# Altium PCB PCB1_4.PcbDoc (part 2 of 2)
Units mil, origin at the board's own origin, x right, y up, seen from the top; angles counter-clockwise.
Board outline 2860 x 3413.11 mil, 4 copper layers (Top Layer, POWER_VCC, POWER_GND, Bottom Layer), stack 30.634 mil thick; 135 components, 182 nets, 698 pads, 287 vias.
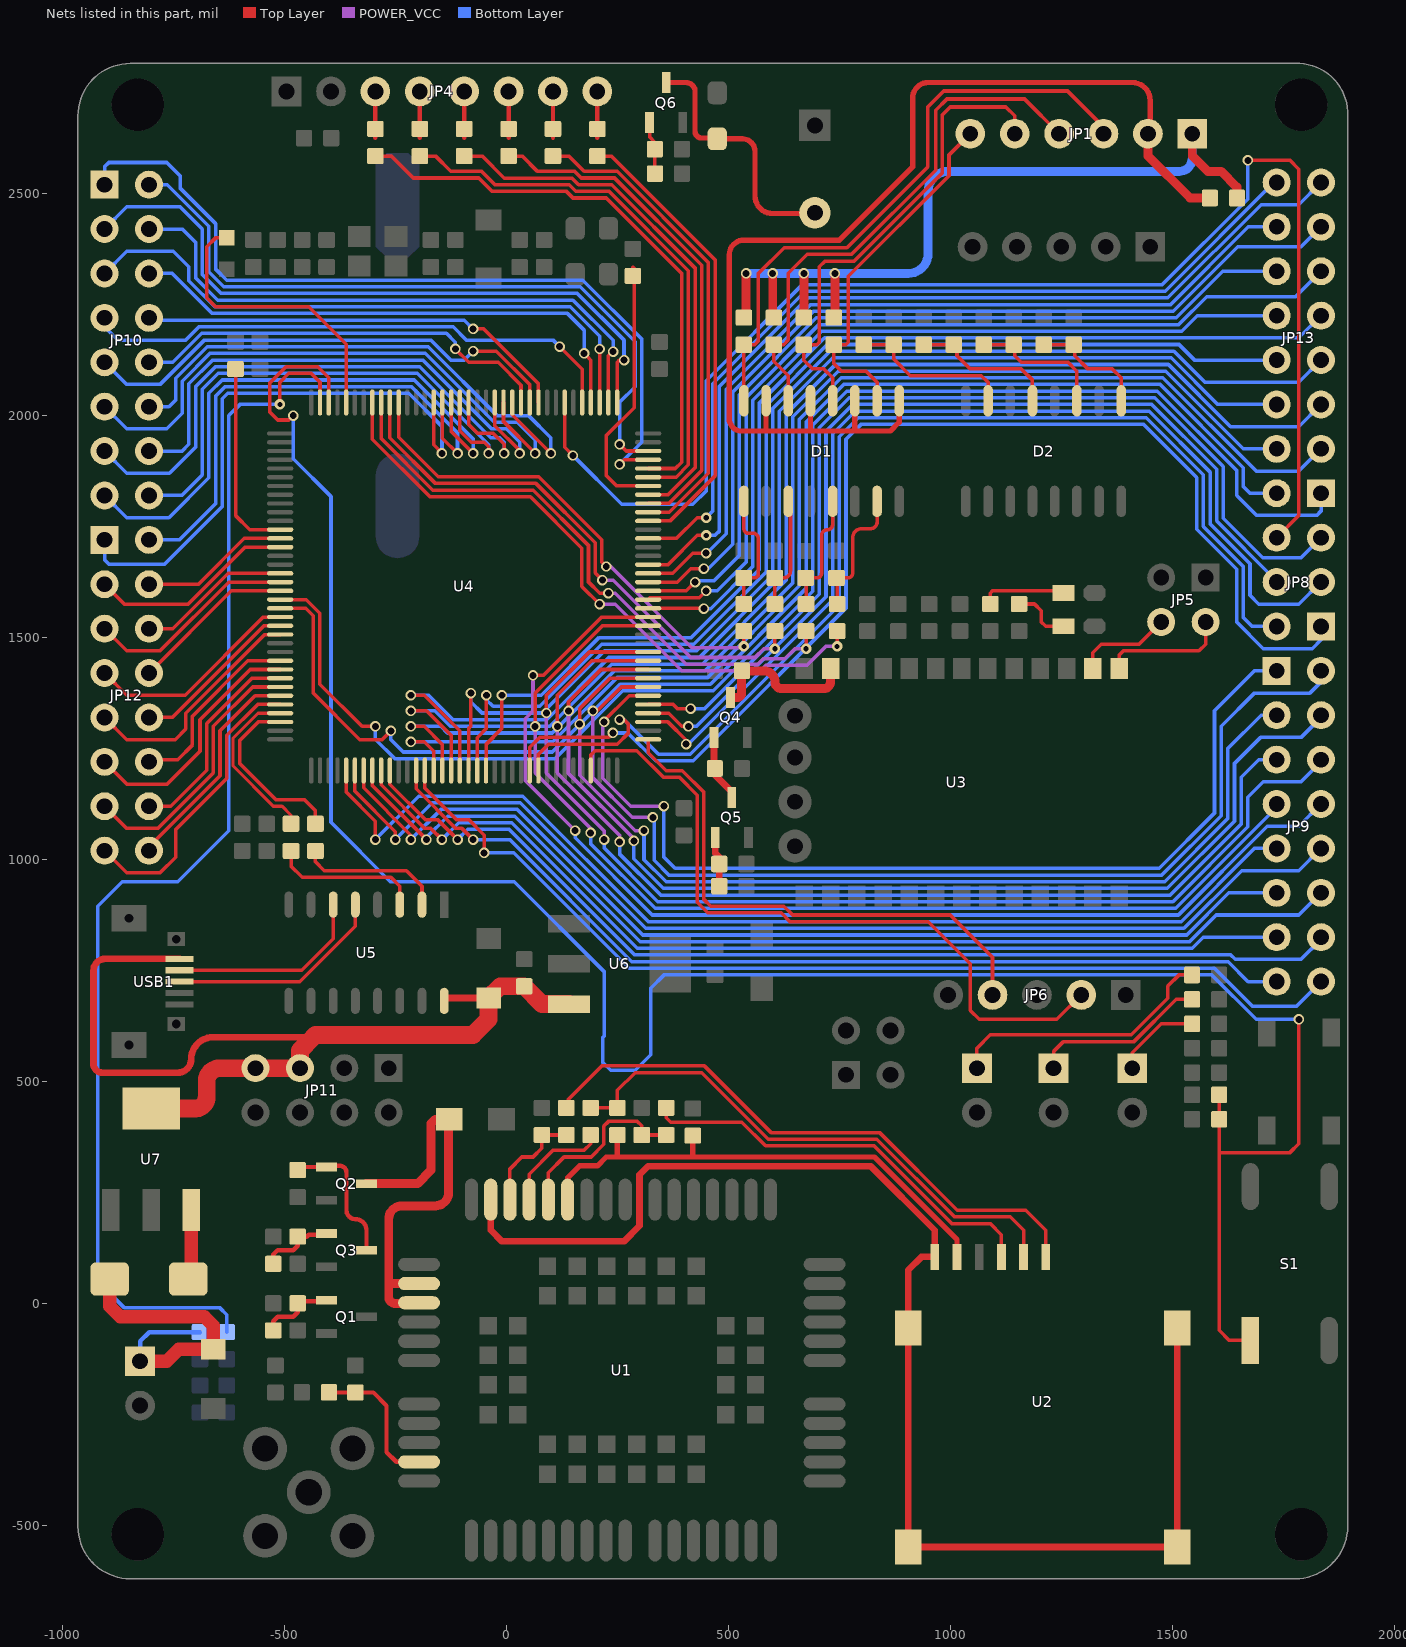
[diagram p4: the nets of this part, all layers, seen from the top]

## Via types
v1: diameter 23.62, hole 15.75, Top Layer to POWER_GND, tented top, 125 vias
v2: diameter 23.62, hole 15.75, Top Layer to Bottom Layer, tented both sides, 99 vias
v3: diameter 23.62, hole 15.75, Top Layer to POWER_VCC, tented top, 44 vias
v4: diameter 23.62, hole 15.75, POWER_VCC to Bottom Layer, tented bottom, 8 vias
v5: diameter 23.62, hole 11.81, Top Layer to Bottom Layer, tented both sides, 5 vias
v6: diameter 23.62, hole 11.81, Top Layer to POWER_VCC, tented top, 5 vias
v7: diameter 15.75, hole 15.75, Top Layer to POWER_GND, tented top, 1 vias

## Nets (pads, with @x,y where several pads share a name; then routed paths per layer and width w, separated by ;. In a path a pad name is that pad's centre, name@x,y a point inside that pad or via, vN(x,y) a via of type N, cw(c..) or ccw(c..) an arc to the next point about the centre after c; other vN are vias at no path point) (continued)
NetD1_1: D1.1 R5.2 R7.2 | length 283.4
  Top Layer w8: R5.2@535,1575.51 R7.2@535,1634.49 559.49,1634.49 ccw(c559.49,1642.7) 567.7,1642.7 567.7,1722.3 ccw(c555,1722.3) 555,1735 545,1735 cw(c545,1745) 535,1745 D1.1@535,1806.73
NetD1_3: D1.3 R8.2 R10.2 | length 256.3
  Top Layer w8: R8.2@605,1575.51 605,1634.04 R10.2@604.56,1634.49 624.49,1634.49 ccw(c624.49,1650) 640,1650 640,1795 ccw(c635,1795) D1.3@635,1800
NetD1_5: D1.5 R11.2 R13.2 | length 277.2
  Top Layer w8: R11.2@675,1575.51 675,1633.44 R13.2@674.11,1634.33 699.33,1634.33 ccw(c699.33,1645) 710,1645 710,1730 cw(c722.5,1730) 722.5,1742.5 ccw(c722.5,1755) 735,1755 D1.5@735,1806.73
NetD1_7: D1.7 R15.2 R19.2 | length 303.5
  Top Layer w8: R15.2@745,1575.51 745,1633.08 R19.2@743.67,1634.41 769.41,1634.41 ccw(c769.41,1645) 780,1645 780,1725 cw(c800,1725) 800,1745 820,1745 ccw(c820,1760) 835,1760 D1.7@835,1806.73
NetD2_1: D2.1 R22.2 R24.2 | length 270.3
  Top Layer w8: R24.2@1210.55,2159.49 R22.2@1278.11,2159.49 1280,2157.6 1280,2135 1310,2105 1365,2105 1385,2085 D2.1@1385,2033.27
NetD2_3: D2.3 R25.2 R27.2 | length 314.1
  Top Layer w8: R27.2@1075.44,2159.49 R25.2@1143,2159.49 1145,2157.49 1145,2135 1160,2120 1265,2120 1285,2100 D2.3@1285,2033.27
NetD2_5: D2.5 R28.2 R30.2 | length 334.5
  Top Layer w8: R30.2@940.33,2159.49 R28.2@1007.89,2159.49 1015,2152.38 1015,2135 1045,2105 1160,2105 1185,2080 D2.5@1185,2033.27
NetD2_7: D2.7 R32.2 R34.2 | length 375.4
  Top Layer w8: R34.2@805.22,2159.49 R32.2@872.78,2159.49 872.78,2127.22 910,2090 1070,2090 1085,2075 D2.7@1085,2033.27
NetD3_1: D3.1 R43.2 | length 135.5
  Top Layer w8: R43.2@1155,1575.51 1189.49,1575.51 1205,1560 1205,1535 1214.74,1525.26 D3.1@1255,1525.26
NetD4_1: D4.1 R44.2 | length 193.5
  Top Layer w8: R44.2@1090,1575.51 1090,1600 1095,1605 1250.26,1605 D4.1@1255,1600.26
NetD5_1: D5.1 R51.2 | length 196.4
  Top Layer w8: D5.1@1410,530 1410,565 1475,630 R51.2@1544.49,630
NetD6_1: D6.1 R52.2 | length 398.2
  Top Layer w8: D6.1@1232.5,530 1232.5,567.5 1255,590 1413.79,590 1508.79,685 R52.2@1544.49,685
NetD7_1: D7.1 R55.2 | length 614
  Top Layer w8: D7.1@1060,530 1060,575 1090,605 1407.57,605 1490,687.43 1490,715 1515,740 R55.2@1544.49,740
NetD10_1: D10.1 LS1.2 Q6.3 | length 585.8
  Top Layer w12: Q6.3@360,2750 405,2750 cw(c405,2730) 425,2730 425,2640 ccw(c440,2640) 440,2625 473.33,2625 cw(c473.33,2623.33) D10.1@475,2623.33 531.67,2623.33 cw(c531.67,2595) 560,2595 560,2495 ccw(c600,2495) 600,2455 693.43,2455 ccw(c693.43,2456.57) LS1.2@695,2456.57
NetD11_2: D11.2 U7.3 | length 158.7
  Top Layer w30: D11.2@-716.5,55 -709.45,62.05 U7.3@-709.45,210.83
NetJP4_3: JP4.3 R35.2 | length 104.5
  Top Layer w10: -295,2625.51 JP4.3@-295,2730
NetJP4_4: JP4.4 R37.2 | length 104.5
  Top Layer w10: -195,2625.51 JP4.4@-195,2730
NetJP4_5: JP4.5 R38.2 | length 104.5
  Top Layer w10: -95,2625.51 JP4.5@-95,2730
NetJP4_6: JP4.6 R40.2 | length 104.5
  Top Layer w10: 5,2625.51 JP4.6@5,2730
NetJP4_7: JP4.7 R41.2 | length 104.5
  Top Layer w10: 105,2625.51 JP4.7@105,2730
NetJP4_8: JP4.8 R42.2 | length 104.5
  Top Layer w10: 205,2625.51 JP4.8@205,2730
NetJP5_2: JP5.2 U3.1 | length 285.4
  Top Layer w8: U3.1@1380,1430 1380,1460 1390,1470 1560,1470 1575,1485 JP5.2@1575,1535
NetJP5_4: JP5.4 U3.2 | length 218.6
  Top Layer w8: U3.2@1320.94,1430 1320.94,1465.94 1340,1485 1425,1485 JP5.4@1475,1535
NetL1_1: L1.1 U4.32 | length 657.1
  Top Layer w8: L1.1@-630,2400 -655,2400 -675,2380 -675,2265 -655,2245 -445,2245 -360.75,2160.75 U4.32@-360.75,2029.39
NetQ1_1: Q1.1 R1.2 R3.1 | length 172.2
  Top Layer w10: R1.2@-525,-60.51 -525,-40 -515,-30 -480,-30 -470,-20 R3.1@-470,0.51 -465.51,5 -407.4,5 Q1.1@-405,7.4
NetQ2_1: Q2.1 Q3.3 R31.1 | length 324.7
  Top Layer w10: R31.1@-470,300.51 cw(c-463.11,300.51) -463.11,307.4 Q2.1@-405,307.4 cw(c-402.4,307.4) -402.4,310 -375,310 cw(c-375,295) -360,295 -360,210 ccw(c-340,210) -340,190 cw(c-340,165) -315,165 Q3.3@-315,120
NetQ3_1: Q3.1 R36.2 R39.1 | length 172.4
  Top Layer w10: R36.2@-525,89.49 -525,110.4 -515.4,120 -480,120 -470,130 R39.1@-470,150.51 -449.49,150.51 -445,155 -407.4,155 Q3.1@-405,157.4
NetQ4_1: Q4.1 Q5.3 R45.1 | length 151.7
  Top Layer w15: Q4.1@467.6,1275 467.6,1192.4 507.87,1152.13 Q5.3@507.87,1140
NetQ5_1: Q5.1 R48.2 R50.1 | length 113.7
  Top Layer w15: Q5.1@470.47,1050 470.47,1014.53 479.49,1005.51 R50.1@479.49,990 R48.2@479.49,940
NetQ6_1: Q6.1 R57.2 R58.1 | length 119.9
  Top Layer w8: Q6.1@322.6,2660 322.6,2627.4 334.49,2615.51 R58.1@334.49,2600 R57.2@334.49,2545
NetR14_2: R14.2 U2.3 | length 1338.8
  Top Layer w8: R14.2@140,440.51 140,460 215,535 446.21,535 596.21,385 840.46,385 1015.46,210 1170,210 1215,165 U2.3@1215,105
NetR17_2: R17.2 U2.2 | length 936.1
  Top Layer w8: R17.2@360,440.51 360,418.6 370,408.6 530.19,408.6 583.79,355 828.03,355 1003.03,180 1090,180 1115,155 U2.2@1115,105
NetR18_2: R18.2 R21.2 U2.6 | length 1233.1
  Top Layer w8: R18.2@195,440.51 R21.2@250,440.51 250,480 290,520 440,520 590,370 834.25,370 1009.25,195 1135,195 1165,165 U2.6@1165,105
NetR46_2: R46.2 U5.2 | length 328.9
  Top Layer w8: R46.2@-430,1019.49 -430,995 -410,975 -225,975 -190,940 U5.2@-190,898.35
NetR47_2: R47.2 U5.3 | length 339.8
  Top Layer w8: R47.2@-485,1019.49 -485,985 -460,960 -260,960 -240,940 U5.3@-240,898.35
NetR49_2: R49.2 U4.48 | length 443.4
  Top Layer w8: R49.2@-610,2104.49 -610,1775 -577.95,1742.95 U4.48@-509.39,1742.95
NetR60_2: R60.2 U4.138 | length 600.8
  Top Layer w8: 285,2334.49 287.81,2331.68 287.81,2017.81 225,1955 225,1865 248.62,1841.38 U4.138@319.39,1841.38
OLED_CLK: R35.1 U4.140 | length 1306.1
  Top Layer w8: R35.1@-295,2584.49 -259.49,2584.49 -210,2535 -62.09,2535 -31.83,2504.74 135.4,2504.74 150.15,2490 225,2490 395,2320 395,1895 380.75,1880.75 U4.140@319.39,1880.75
OLED_CS1: R40.1 U4.136 | length 1150.5
  Top Layer w8: R40.1@5,2584.49 35.51,2584.49 70.26,2549.74 154.04,2549.74 168.79,2535 243.64,2535 440,2338.64 440,1876.36 365.65,1802.01 U4.136@319.39,1802.01
OLED_CS2: R42.1 U4.134 | length 1041.4
  Top Layer w8: R42.1@205,2584.49 236.58,2584.49 470,2351.07 470,1863.93 368.7,1762.64 U4.134@319.39,1762.64
OLED_DC: R38.1 U4.137 | length 1205.1
  Top Layer w8: R38.1@-95,2584.49 -54.49,2584.49 -4.74,2534.74 147.83,2534.74 162.57,2520 237.43,2520 425,2332.43 425,1882.57 364.12,1821.69 U4.137@319.39,1821.69
OLED_FSO: R41.1 U4.135 | length 1096
  Top Layer w8: R41.1@105,2584.49 140.51,2584.49 175,2550 249.85,2550 455,2344.85 455,1870.15 367.18,1782.32 U4.135@319.39,1782.32
OLED_MOSI: R37.1 U4.139 | length 1251.5
  Top Layer w8: R37.1@-195,2584.49 -159.49,2584.49 -125,2550 -55.88,2550 -25.62,2519.74 141.62,2519.74 156.36,2505 231.21,2505 410,2326.21 410,1888.79 382.28,1861.06 U4.139@319.39,1861.06
OUT_1: D1.16 JP1.3 R6.2 | length 1389.7
  Top Layer w8: D1.16@535,2033.27 R6.2@535,2159.49 559.34,2159.49 567.7,2167.85 567.7,2319.96 625.74,2378 767.09,2378 949,2559.91 949,2694.91 985.09,2731 1264,2731 1345,2650 JP1.3@1345,2635
OUT_2: D1.14 JP1.4 R9.2 | length 1210.6
  Top Layer w8: D1.14@635,2033.27 635,2090 602.56,2122.44 R9.2@602.56,2159.49 624.49,2159.49 635.26,2170.26 635.26,2320.26 678,2363 777.54,2363 967,2552.46 967,2687.46 992.54,2713 1167,2713 JP1.4@1245,2635
OUT_3: D1.12 JP1.5 R12.2 | length 1088.9
  Top Layer w8: D1.12@735,2033.27 735,2085 715,2105 690,2105 670.11,2124.89 R12.2@670.11,2159.49 699.49,2159.49 704.97,2164.97 704.97,2334.97 718,2348 783.76,2348 982,2546.24 982,2677 1000,2695 1125,2695 1145,2675 JP1.5@1145,2635
OUT_4: D1.10 JP1.6 R16.2 | length 817.3
  Top Layer w8: D1.10@835,2033.27 835,2075 810,2100 755,2100 737.67,2117.33 R16.2@737.67,2159.49 764.49,2159.49 770.37,2165.37 770.37,2313.4 997,2540.03 997,2587 JP1.6@1045,2635
OUT_COM+: C4.2 JP1.1 R6.1 R9.1 R12.1 R16.1 | length 1880
  Top Layer w20: R6.1@535,2220.51 540,2225.51 v2(540,2320) ; v2(600,2320) 600,2233.07 605,2228.07 600,2223.07 R9.1@602.56,2220.51 ; v2(670,2320) 670,2220.62 R12.1@670.11,2220.51 ; R16.1@737.67,2220.51 736.33,2221.84 740,2225.51 v2(740,2320) ; JP1.1@1545,2635 1545,2585 1580,2550 1610,2550 1645.51,2514.49 C4.2@1645.51,2490
  Bottom Layer w20: v2(540,2320) v2(600,2320) v2(670,2320) v2(740,2320) 905,2320 ccw(c905,2365) 950,2365 950,2505 cw(c995,2505) 995,2550 1515,2550 ccw(c1515,2580) 1545,2580 JP1.1@1545,2635
OUT_COM-: C4.1 D1.9 D1.11 D1.13 D1.15 JP1.2 | length 2574.7
  Top Layer w12: D1.15@585,2033.27 585,1965 ; D1.13@685,2033.27 685,1970 cw(c680,1970) 680,1965 ; D1.11@785,2033.27 785,1970 cw(c780,1970) 780,1965 ; D1.9@885,2033.27 885,1985 865,1965 780,1965 ; JP1.2@1445,2635 ccw(c1445,2640) 1450,2640 1450,2710 ccw(c1410,2710) 1410,2750 950,2750 ccw(c950,2715) 915,2715 915,2560 750,2395 535,2395 ccw(c535,2362) 502,2362 502,1993 ccw(c530,1993) 530,1965 585,1965 ; 585,1965 680,1965 ; 680,1965 780,1965
  Top Layer w20: JP1.2@1445,2635 1445,2585 1540,2490 C4.1@1584.49,2490
OUT_CON_1_PC0: R5.1 U4.26 | length 1117
  Top Layer w8: U4.26@-242.64,2029.39 -242.64,1951.28 -153.37,1862.01 72.84,1862.01 215,1719.85 215,1670 v2(225,1660) ; v6(535,1480) R5.1@535,1514.49
  POWER_VCC w8: v2(225,1660) 235,1660 417.81,1477.19 532.19,1477.19 v6(535,1480)
OUT_CON_2_PC1: R8.1 U4.27 | length 1239.6
  Top Layer w8: U4.27@-262.32,2029.39 -262.32,1949.75 -159.58,1847.01 66.63,1847.01 200,1713.64 200,1645.45 v2(216.07,1629.38) ; v6(605,1475) R8.1@605,1514.49
  POWER_VCC w8: v2(216.07,1629.38) 240.62,1629.38 415,1455 560,1455 580,1475 v6(605,1475)
OUT_CON_3_PC2: R11.1 U4.28 | length 1351
  Top Layer w8: U4.28@-282.01,2029.39 -282.01,1948.22 -165.79,1832.01 60.42,1832.01 185,1707.43 185,1625 210,1600 v2(230,1600) ; v6(675,1475) R11.1@675,1514.49
  POWER_VCC w8: v2(230,1600) 245,1600 405,1440 566.21,1440 578.4,1452.19 627.19,1452.19 650,1475 v6(675,1475)
OUT_CON_4_PC3: R15.1 U4.29 | length 1453.3
  Top Layer w8: U4.29@-301.69,2029.39 -301.69,1946.69 -172.01,1817.01 54.21,1817.01 170,1701.21 170,1615 v2(210,1575) ; v6(745,1480) R15.1@745,1514.49
  POWER_VCC w8: v2(210,1575) 245,1575 395,1425 572.43,1425 584.62,1437.19 677.19,1437.19 720,1480 v6(745,1480)
PC8: JP8.1 U4.98 | length 2795.5
  Top Layer w8: U4.98@52.64,1200.61 52.64,1252.64 75,1275 230,1275 v2(240,1285)
  Bottom Layer w8: v2(240,1285) 273.79,1285 336.6,1222.19 420.66,1222.19 765,1566.53 765,1946.36 798.64,1980 1435.29,1980 1555,1860.29 1555,1743.93 1645,1653.93 1645,1535 1705,1475 1815,1475 1835,1495 JP8.1@1835,1525
PC9: JP8.2 U4.99 | length 2682.2
  Top Layer w8: U4.99@72.32,1200.61 72.32,1237.32 95,1260 250,1260 275,1285 275,1305 265,1315 v2(255,1315)
  Bottom Layer w8: v2(255,1315) 265,1315 342.81,1237.19 414.45,1237.19 750,1572.74 750,1952.57 792.43,1995 1441.51,1995 1570,1866.51 1570,1750.15 1660,1660.15 1660,1545 1680,1525 JP8.2@1735,1525
PC10: JP8.3 U4.111 | length 2381.6
  Top Layer w8: U4.111@319.39,1309.88 363.9,1309.88 405,1268.79 v2(405,1260)
  Bottom Layer w8: v2(405,1260) 409.56,1260 735,1585.44 735,1958.79 786.21,2010 1447.72,2010 1585,1872.72 1585,1756.36 1675,1666.36 1675,1595 1695,1575 1785,1575 JP8.3@1835,1625
PC11: JP8.4 U4.112 | length 2194.6
  Top Layer w8: U4.112@319.39,1329.57 365.43,1329.57 395,1300 v2(410,1300)
  Bottom Layer w8: v2(410,1300) 428.35,1300 720,1591.65 720,1965 780,2025 1453.93,2025 1600,1878.93 1600,1762.57 1728.79,1633.79 1735,1640 JP8.4@1735,1625
PC12: JP8.5 U4.113 | length 2264.7
  Top Layer w8: U4.113@319.39,1349.25 375.75,1349.25 385,1340 v2(415,1340)
  Bottom Layer w8: v2(415,1340) 447.13,1340 705,1597.87 705,1972.43 772.57,2040 1460.15,2040 1615,1885.15 1615,1768.79 1703.79,1680 1790,1680 JP8.5@1835,1725
PC13: JP8.6 U4.7 | length 3184.3
  Top Layer w8: U4.7@131.38,2029.39 131.38,1928.62 v2(150,1910) ; v2(1670,2575) 1765,2575 1785,2555 1785,1775 JP8.6@1735,1725
  Bottom Layer w8: v2(150,1910) 260,1800 420,1800 450,1830 450,2078.05 666.95,2295 1477.57,2295 1670,2487.43 v2(1670,2575)
PD0: JP9.1 U4.114 | length 2241.9
  Top Layer w8: v3(220,1310) 220,1312.26 276.68,1368.94 U4.114@319.39,1368.94
  POWER_VCC w8: v3(220,1310) 217.19,1307.19 217.19,1182.81 280,1120 v4(355,1120)
  Bottom Layer w8: v4(355,1120) 355,1005 380,980 1470.29,980 1595,1104.71 1595,1335 1685,1425 JP9.1@1735,1425
PD1: JP9.2 U4.115 | length 2406.7
  Top Layer w8: v3(195,1335) 205,1335 258.62,1388.62 U4.115@319.39,1388.62
  POWER_VCC w8: v3(195,1335) 195,1183.79 283.79,1095 v4(330,1095)
  Bottom Layer w8: v4(330,1095) 332.81,1092.19 332.81,998.26 366.07,965 1476.51,965 1610,1098.49 1610,1300 1685,1375 1810,1375 1835,1400 JP9.2@1835,1425
PD2: JP9.3 U4.116 | length 2288
  Top Layer w8: v3(165,1305) 165,1340 233.31,1408.31 U4.116@319.39,1408.31
  POWER_VCC w8: v3(165,1305) 165,1190 290,1065 v4(310,1065)
  Bottom Layer w8: v4(310,1065) 310,999.85 359.85,950 1482.72,950 1625,1092.28 1625,1250 1700,1325 JP9.3@1735,1325
PD3: JP9.4 U4.117 | length 2443.2
  Top Layer w8: v3(140,1335) 140,1355 212.99,1427.99 U4.117@319.39,1427.99
  POWER_VCC w8: v3(140,1335) 140,1193.79 290,1043.79 288.4,1042.19 v4(287.19,1042.19)
  Bottom Layer w8: v4(287.19,1042.19) 287.19,1001.45 353.64,935 1488.93,935 1640,1086.07 1640,1216.21 1698.79,1275 1790,1275 1835,1320 JP9.4@1835,1325
PD4: JP9.5 U4.118 | length 2358.3
  Top Layer w8: v3(115,1300) 115,1370 192.68,1447.68 U4.118@319.39,1447.68
  POWER_VCC w8: v3(115,1300) 115,1195 255,1055 v4(255,1040)
  Bottom Layer w8: v4(255,1040) 255,1012.43 347.43,920 1495.15,920 1655,1079.85 1655,1185 1695,1225 JP9.5@1735,1225
PD5: JP9.6 U4.119 | length 2506.9
  Top Layer w8: v3(90,1330) 90,1370 187.36,1467.36 U4.119@319.39,1467.36
  POWER_VCC w8: v3(90,1330) 90,1195 220,1065 v4(220,1045)
  Bottom Layer w8: v4(220,1045) 220,1026.21 341.21,905 1501.36,905 1670,1073.64 1670,1140 1705,1175 1790,1175 1835,1220 JP9.6@1835,1225
PD6: JP9.7 U4.122 | length 2415.7
  Top Layer w8: v3(65,1300) 65,1375 216.42,1526.42 U4.122@319.39,1526.42
  POWER_VCC w8: v3(65,1300) 65,1195 190,1070 v4(190,1060)
  Bottom Layer w8: v4(190,1060) 190,1035 335,890 1507.57,890 1735,1117.43 JP9.7@1735,1125
PD7: JP9.8 U4.123 | length 2589.5
  Top Layer w8: v3(60,1415) 83.79,1415 214.89,1546.1 U4.123@319.39,1546.1
  POWER_VCC w8: v3(60,1415) 60,1335 42.19,1317.19 42.19,1177.81 v4(155,1065)
  Bottom Layer w8: v4(155,1065) 155,1048.79 328.79,875 1513.79,875 1713.79,1075 1785,1075 JP9.8@1835,1125
PD8: JP9.9 U4.77 | length 2438.9
  Top Layer w8: U4.77@-360.75,1200.61 -360.75,1151.96 -295,1086.21 v2(-295,1045)
  Bottom Layer w8: v2(-295,1045) -197.19,1142.81 37.19,1142.81 320,860 1520,860 1685,1025 JP9.9@1735,1025
PD9: JP9.10 U4.78 | length 2514.3
  Top Layer w8: U4.78@-341.06,1200.61 -341.06,1153.49 -250,1062.43 v2(-250,1045)
  Bottom Layer w8: v2(-250,1045) -167.19,1127.81 30.98,1127.81 313.79,845 1526.21,845 1656.21,975 1785,975 JP9.10@1835,1025 JP9.10@1835,1015
PD10: JP9.11 U4.79 | length 2334.3
  Top Layer w8: U4.79@-321.38,1200.61 -321.38,1161.38 -215,1055 v2(-215,1045)
  Bottom Layer w8: v2(-215,1045) -147.19,1112.81 24.76,1112.81 307.57,830 1532.43,830 1627.43,925 JP9.11@1735,925
PD11: JP9.12 U4.80 | length 2411.3
  Top Layer w8: U4.80@-301.69,1200.61 -301.69,1166.69 v2(-180,1045)
  Bottom Layer w8: v2@-177.26,1045 v2(-180,1045) -180,1050 -132.19,1097.81 18.55,1097.81 301.36,815 1538.64,815 1598.64,875 1785,875 JP9.12@1835,925
PD12: JP9.13 U4.81 | length 2243.6
  Top Layer w8: U4.81@-282.01,1200.61 -282.01,1168.22 -183.79,1070 -170,1070 v2(-145,1045)
  Bottom Layer w8: v2(-145,1045) -107.19,1082.81 12.34,1082.81 295.15,800 1544.85,800 1569.85,825 JP9.13@1735,825
PD13: JP9.14 U4.82 | length 2334.2
  Top Layer w8: U4.82@-262.32,1200.61 -262.32,1169.75 -182.57,1090 -155,1090 v2(-110,1045)
  Bottom Layer w8: v2(-110,1045) -87.19,1067.81 6.12,1067.81 288.93,785 1631.82,785 1641.82,775 1790,775 1835,820 JP9.14@1835,825
PD14: JP9.15 U4.85 | length 2159.4
  Top Layer w8: U4.85@-203.27,1200.61 -203.27,1159.48 -113.79,1070 -100,1070 v2(-75,1045)
  Bottom Layer w8: v2(-75,1045) 7.72,1045 282.72,770 1625.61,770 1670.61,725 JP9.15@1735,725
PD15: JP9.16 U4.86 | length 2307.8
  Top Layer w8: U4.86@-183.58,1200.61 -183.58,1161.01 -112.57,1090 -85,1090 -50,1055 v2(-50,1015)
  Bottom Layer w8: v2(-50,1015) 16.51,1015 276.51,755 1595,755 1680,670 1780,670 JP9.16@1835,725
PE0: JP10.1 U4.141 | length 1866.8
  Top Layer w8: v2(255,1890) 265.43,1900.43 U4.141@319.39,1900.43
  Bottom Layer w8: JP10.1@-905,2520 -905,2560 -895,2570 -765,2570 -735,2540 -735,2512.43 -655,2432.43 -655,2330 -630,2305 172.43,2305 305,2172.43 305,1940 v2(255,1890)
PE1: JP10.2 U4.142 | length 1617.8
  Top Layer w8: v2(255,1935) 269.88,1920.12 U4.142@319.39,1920.12
  Bottom Layer w8: JP10.2@-805,2520 -763.78,2520 -670,2426.21 -670,2323.79 -636.21,2290 166.21,2290 290,2166.21 290,2065 255,2030 v2(255,1935)
PE2: JP10.3 U4.1 | length 1527.9
  Top Layer w8: U4.1@249.49,2029.39 249.49,2119.49 255,2125 v2(265,2125)
  Bottom Layer w8: JP10.3@-905,2420 -854.99,2470 -735,2470 -685,2420 -685,2317.57 -642.43,2275 160,2275 265,2170 v2(265,2125)
PE3: JP10.4 U4.2 | length 1341.9
  Top Layer w8: U4.2@229.8,2029.39 229.8,2134.8 239.05,2144.05 v2(240.74,2144.05)
  Bottom Layer w8: JP10.4@-805,2420 -730,2420 -700,2390 -700,2310 -650,2260 150,2260 240.74,2169.26 v2(240.74,2144.05)
PE4: JP10.5 U4.3 | length 1382.6
  Top Layer w8: U4.3@210.12,2029.39 v2(210.12,2149.88)
  Bottom Layer w8: JP10.5@-905,2320 -855,2370 -750,2370 -715,2335 -715,2303.79 -656.21,2245 143.79,2245 210.12,2178.67 v2(210.12,2149.88)
PE5: JP10.6 U4.4 | length 1216.7
  Top Layer w8: 185.24,2130 175.24,2140 v2(175,2140) 190.43,2124.57 U4.4@190.43,2029.39
  Bottom Layer w8: JP10.6@-805,2320 -752.42,2320 -662.43,2230 137.57,2230 175,2192.57 v2(175,2140)
PE6: JP10.7 U4.5 | length 1235.1
  Top Layer w8: v2(120,2155) 170.75,2104.25 U4.5@170.75,2029.39
  Bottom Layer w8: JP10.7@-905,2220 -905,2200 -875,2170 -722.43,2170 -692.43,2200 -120,2200 -90,2170 105,2170 v2(120,2155)
PE7: JP12.7 U4.58 | length 489.3
  Top Layer w8: JP12.7@-905,1420 -855,1370 -723.64,1370 -547.54,1546.1 U4.58@-509.39,1546.1
PE8: JP12.10 U4.59 | length 381.1
  Top Layer w8: JP12.10@-805,1320 -752.43,1320 -546.01,1526.42 U4.59@-509.39,1526.42
PE9: JP12.9 U4.60 | length 534.9
  Top Layer w8: JP12.9@-905,1320 -855,1270 -746.12,1270 -722,1294.12 -722,1329.21 -544.48,1506.73 U4.60@-509.39,1506.73
PE10: JP12.12 U4.63 | length 430.9
  Top Layer w8: JP12.12@-805,1220 -805,1225 -740,1225 -707,1258 -707,1323 -582.32,1447.68 U4.63@-509.39,1447.68
PE11: JP12.11 U4.64 | length 564.9
  Top Layer w8: JP12.11@-905,1220 -855,1170 -763.79,1170 -690,1243.79 -690,1315 -577.01,1427.99 U4.64@-509.39,1427.99
PE12: JP12.14 U4.65 | length 476.5
  Top Layer w8: JP12.14@-805,1120 -756.21,1120 -675,1201.21 -675,1306.21 -572.91,1408.31 U4.65@-509.39,1408.31
PE13: JP12.13 U4.66 | length 609.8
  Top Layer w8: JP12.13@-905,1120 -855,1070 -785,1070 -660,1195 -660,1300 -571.38,1388.62 U4.66@-509.39,1388.62
PE14: JP12.16 U4.67 | length 505.3
  Top Layer w8: JP12.16@-805,1020 -805,1028.79 -645,1188.79 -645,1290 -566.06,1368.94 U4.67@-509.39,1368.94 U4.67@-509.39,1368.17
PE15: JP12.15 U4.68 | length 651.9
  Top Layer w8: JP12.15@-894.39,1009.39 -855,970 -780,970 -745,1005 -745,1067.57 -630,1182.57 -630,1279.54 -560.29,1349.25 U4.68@-509.39,1349.25
PF0: JP10.8 U4.10 | length 980.9
  Top Layer w8: v2(-75,2195) -51.21,2195 72.32,2071.46 U4.10@72.32,2029.39
  Bottom Layer w8: JP10.8@-805,2220 -800,2215 -95,2215 v2(-75,2195)
PF1: JP10.9 U4.11 | length 1118.3
  Top Layer w8: v2(-75,2145) -22.43,2145 52.64,2069.94 U4.11@52.64,2029.39
  Bottom Layer w8: JP10.9@-905,2120 -855,2070 -780,2070 -680,2170 -170,2170 -125,2125 -95,2125 v2(-75,2145)
PF2: JP10.10 U4.12 | length 961
  Top Layer w8: v2(-115,2150) -85,2120 -18.64,2120 32.95,2068.41 U4.12@32.95,2029.39
  Bottom Layer w8: JP10.10@-805,2120 -751.22,2120 -686.21,2185 -135,2185 -115,2165 v2(-115,2150)
PF3: JP10.12 U4.13 | length 1259.7
  Top Layer w8: U4.13@13.27,2029.39 13.27,2001.73 v2(100,1915)
  Bottom Layer w8: JP10.12@-805,2020 -760,2020 -745,2035 -745,2083.79 -673.79,2155 -176.21,2155 -21.21,2000 50,2000 100,1950 v2(100,1915)
PF4: JP10.11 U4.14 | length 1358.4
  Top Layer w8: U4.14@-6.42,2029.39 -6.42,1986.42 v2(65,1915)
  Bottom Layer w8: JP10.11@-905,2020 -855,1970 -765,1970 -730,2005 -730,2077.57 -667.57,2140 -182.43,2140 -27.43,1985 25,1985 65,1945 v2(65,1915)
PF5: JP10.14 U4.15 | length 1239
  Top Layer w8: U4.15@-26.1,2029.39 -26.1,1977.32 30,1921.21 v2(30,1915)
  Bottom Layer w8: JP10.14@-805,1920 -730,1920 -715,1935 -715,2071.36 -661.36,2125 -188.64,2125 -33.64,1970 0,1970 30,1940 v2(30,1915)
PF6: JP10.13 U4.18 | length 1363.5
  Top Layer w8: U4.18@-85.16,2029.39 -85.16,1980.16 -65,1960 -30,1960 -5,1935 v2(-5,1915)
  Bottom Layer w8: JP10.13@-905,1920 -855,1870 -758.79,1870 -700,1928.79 -700,2065.15 -655.15,2110 -194.85,2110 -35,1950.15 -15.15,1950.15 -5,1940 v2(-5,1915)
PF7: JP10.16 U4.19 | length 1235.6
  Top Layer w8: U4.19@-104.84,2029.39 -104.84,1966.06 -78.79,1940 -50,1940 -40,1930 v2(-40,1915)
  Bottom Layer w8: JP10.16@-805,1820 -731.22,1820 -685,1866.21 -685,2058.93 -648.93,2095 -201.07,2095 -40,1933.93 v2(-40,1915)
PF8: JP10.15 U4.20 | length 1312.8
  Top Layer w8: U4.20@-124.53,2029.39 -124.53,1964.53 v2(-75,1915)
  Bottom Layer w8: JP10.15@-905,1820 -855,1770 -760,1770 -670,1860 -670,2050 -640,2080 -207.28,2080 -75,1947.72 v2(-75,1915)
PF9: JP12.2 U4.21 | length 1197.9
  Top Layer w8: U4.21@-144.21,2029.39 -144.21,1949.21 v2(-110,1915)
  Bottom Layer w8: JP12.2@-805,1720 -736.21,1720 -655,1801.21 -655,2043.79 -633.79,2065 -213.49,2065 -110,1961.51 v2(-110,1915)
PF10: JP12.1 U4.22 | length 1324.2
  Top Layer w8: U4.22@-163.9,2029.39 -163.9,1933.9 v2(-145,1915)
  Bottom Layer w8: JP12.1@-905,1720 -905,1675 -895,1665 -770,1665 -640,1795 -640,2037.57 -627.57,2050 -219.71,2050 -145,1975.29 v2(-145,1915)
PF11: JP12.4 U4.49 | length 338.4
  Top Layer w8: JP12.4@-805,1620 -804.64,1620.36 -693.28,1620.36 -590.37,1723.27 U4.49@-509.39,1723.27
PF12: JP12.3 U4.50 | length 467.9
  Top Layer w8: JP12.3@-905,1620 -859.5,1574.5 -717.92,1574.5 -588.84,1703.58 U4.50@-509.39,1703.58
PF13: JP12.6 U4.53 | length 347.2
  Top Layer w8: JP12.6@-805,1520 -751.21,1520 -626.69,1644.53 U4.53@-509.39,1644.53
PF14: JP12.5 U4.54 | length 480.5
  Top Layer w8: JP12.5@-905,1520 -855,1470 -780,1470 -625.16,1624.84 U4.54@-509.39,1624.84
PF15: JP12.8 U4.55 | length 372.3
  Top Layer w8: JP12.8@-805,1420 -804.54,1420 -619.39,1605.16 U4.55@-509.39,1605.16
PG0: JP13.1 U4.56 | length 3358.8
  Top Layer w8: U4.56@-509.39,1585.47 -450.47,1585.47 -420,1555 -420,1395 -325,1300 v2(-295,1300)
  Bottom Layer w8: v2(-295,1300) -295,1271.21 -250.98,1227.19 109.47,1227.19 262.28,1380 465.92,1380 690,1604.08 690,1978.64 766.36,2055 1466.36,2055 1645,1876.36 1645,1820 1690,1775 1825,1775 1835,1785 JP13.1@1835,1825
PG1: JP13.2 U4.57 | length 3197.2
  Top Layer w8: U4.57@-509.39,1565.79 -452,1565.79 -435,1548.79 -435,1375 -330,1270 -280,1270 v2(-260,1290)
  Bottom Layer w8: v2(-260,1290) -260,1270 -232.19,1242.19 103.26,1242.19 256.07,1395 459.71,1395 675,1610.29 675,1984.85 760.15,2070 1472.57,2070 1660,1882.57 1660,1840 1675,1825 JP13.2@1735,1825
PG2: JP13.3 U4.87 | length 2819.9
  Top Layer w8: v2(-215,1265) -185,1265 -163.9,1243.9 U4.87@-163.9,1200.61
  Bottom Layer w8: v2(-215,1265) 104.85,1265 249.85,1410 453.49,1410 660,1616.51 660,1991.07 753.93,2085 1478.79,2085 1688.79,1875 1785,1875 JP13.3@1835,1925
PG3: JP13.4 U4.88 | length 2732
  Top Layer w8: v2(-215,1300) -185,1300 -144.21,1259.21 U4.88@-144.21,1200.61
  Bottom Layer w8: v2(-215,1300) -147.43,1300 -132.43,1285 103.64,1285 243.64,1425 447.28,1425 645,1622.72 645,1997.28 747.72,2100 1485,2100 1660,1925 JP13.4@1735,1925
PG4: JP13.5 U4.89 | length 2892.6
  Top Layer w8: v2(-215,1335) -180,1335 -124.53,1279.53 U4.89@-124.53,1200.61
  Bottom Layer w8: v2(-215,1335) -161.21,1335 -126.21,1300 97.43,1300 237.43,1440 441.07,1440 630,1628.93 630,2003.49 741.51,2115 1491.21,2115 1631.21,1975 1785,1975 JP13.5@1835,2025
PG5: JP13.6 U4.90 | length 2805.9
  Top Layer w8: v2(-215,1370) -185,1370 -104.84,1289.84 U4.90@-104.84,1200.61
  Bottom Layer w8: v2(-215,1370) -175,1370 -120,1315 91.21,1315 231.21,1455 434.85,1455 615,1635.15 615,2009.71 735.29,2130 1497.43,2130 1602.43,2025 JP13.6@1735,2025
PG6: JP13.7 U4.91 | length 2728.6
  Top Layer w8: U4.91@-85.16,1200.61 -85.16,1295 -80,1300.16 v2(-80,1375)
  Bottom Layer w8: v2(-80,1375) -80,1355 -55,1330 81.21,1330 221.21,1470 428.64,1470 600,1641.36 600,2015.92 729.08,2145 1503.64,2145 1573.64,2075 1785,2075 JP13.7@1835,2125
PG7: JP13.8 U4.92 | length 2545.6
  Top Layer w8: U4.92@-65.47,1200.61 -65.47,1274.53 -45,1295 v2(-45,1370)
  Bottom Layer w8: v2(-45,1370) -45,1360 -30,1345 75,1345 215,1485 422.43,1485 585,1647.57 585,2022.13 722.87,2160 1515,2160 1550,2125 JP13.8@1735,2125
PG8: JP13.9 U4.93 | length 2602.8
  Top Layer w8: U4.93@-45.79,1200.61 -45.79,1259.21 -10,1295 v2(-10,1370)
  Bottom Layer w8: v2(-10,1370) 78.79,1370 208.79,1500 416.21,1500 570,1653.79 570,2028.35 716.65,2175 1785,2175 JP13.9@1835,2225
PG9: JP13.10 U4.124 | length 1908.7
  Top Layer w8: U4.124@319.39,1565.79 444.21,1565.79 v2(445,1565)
  Bottom Layer w8: v2(445,1565) 460,1565 555,1660 555,2034.56 710.44,2190 1521.07,2190 1556.07,2225 JP13.10@1735,2225
PG10: JP13.11 U4.125 | length 2039.1
  Top Layer w8: U4.125@319.39,1585.47 323.15,1589.24 434.24,1589.24 v2(450,1605)
  Bottom Layer w8: v2(450,1605) 475,1605 540,1670 540,2040.77 704.23,2205 1514.85,2205 1577.35,2267.5 1777.5,2267.5 JP13.11@1835,2325
PG11: JP13.12 U4.126 | length 1925.8
  Top Layer w8: U4.126@319.39,1605.16 405.16,1605.16 v2(425,1625)
  Bottom Layer w8: v2(425,1625) 427.81,1627.81 467.81,1627.81 525,1685 525,2046.98 698.02,2220 1508.64,2220 1613.64,2325 JP13.12@1735,2325
PG12: JP13.13 U4.127 | length 2048.1
  Top Layer w8: U4.127@319.39,1624.84 384.84,1624.84 415,1655 v2(445,1655)
  Bottom Layer w8: v2(445,1655) 455,1655 510,1710 510,2053.2 691.8,2235 1502.43,2235 1647.43,2380 1790,2380 JP13.13@1835,2425
PG13: JP13.14 U4.128 | length 1929.6
  Top Layer w8: U4.128@319.39,1644.53 374.53,1644.53 420,1690 v2(450,1690)
  Bottom Layer w8: v2(450,1690) 451.21,1690 495,1733.79 495,2059.41 685.59,2250 1496.21,2250 1671.21,2425 JP13.14@1735,2425
PG14: JP13.15 U4.129 | length 2062.9
  Top Layer w8: U4.129@319.39,1664.21 364.21,1664.21 430,1730 v5(450,1730)
  Bottom Layer w8: v5(450,1730) 470,1730 480,1740 480,2065.62 679.38,2265 1490,2265 1700,2475 1785,2475 JP13.15@1835,2525
PG15: JP13.16 U4.132 | length 1915.7
  Top Layer w8: U4.132@319.39,1723.27 383.27,1723.27 430,1770 v5(450,1770)
  Bottom Layer w8: v5(450,1770) 465,1785 465,2071.84 673.16,2280 1483.79,2280 1728.79,2525 JP13.16@1735,2525
POWER_+: C37.1 D11.1 JP14.1 R53.1 | length 730.7
  Top Layer w30: D11.1@-893.5,55 -893.5,-6.5 -870,-30 -680,-30 -660,-50 C37.1@-660,-103.07 -738.07,-103.07 -765,-130 JP14.1@-825,-130
  Bottom Layer w10: JP14.1@-825,-130 -825,-85 -804.49,-64.49 R53.1@-690,-64.49
POWER_ADC: R56.1 U4.35 | length 2833.6
  Top Layer w8: v5(-510,2025) -510,2075 -490,2095 -440,2095 -419.8,2074.8 U4.35@-419.8,2029.39
  Bottom Layer w8: R56.1@-630,-64.49 -630,-25 -645,-10 -860,-10 -920,50 -920,895 -865,950 -740,950 -625,1065 -625,2000 -600,2025 v5(-510,2025)
RF: C2.1 R4.1 U1.53 | length 329.2
  Top Layer w8: R4.1@-399.49,-200 -398.98,-200.51 C2.1@-340,-200.51
  Top Layer w10: C2.1@-340,-200.51 -299.49,-200.51 -270,-230 -270,-335 -248.31,-356.69 U1.53@-196.69,-356.69
SWCLK_PA14: JP6.4 U4.109 | length 1222.6
  Top Layer w8: U4.109@319.39,1270.51 319.39,1240.61 360,1200 396.21,1200 445,1151.21 445,910 460,895 625,895 645,875 1000,875 1095,780 JP6.4@1095,695
SWDIO_PA13: JP6.2 U4.105 | length 1619.5
  Top Layer w8: U4.105@190.43,1200.61 190.43,1235.43 200,1245 293.79,1245 353.79,1185 390,1185 430,1145 430,903.79 453.79,880 618.79,880 638.79,860 950,860 1045,765 1045,660 1065,640 1240,640 JP6.2@1295,695
UD+: U5.5 USB1.3 | length 496.1
  Top Layer w8: USB1.3@-735.83,725 -500.06,725 -499.88,725.18 -480.12,725.18 -479.94,725 -465,725 -340,850 U5.5@-340,898.35
UD-: U5.6 USB1.2 | length 452.2
  Top Layer w8: USB1.2@-735.83,750.59 -460.62,750.59 -390,821.21 U5.6@-390,898.35
USART3_RXD_PB10: R47.1 U4.69 | length 388.1
  Top Layer w7: U4.69@-509.39,1329.57 -559.47,1329.57 -615.5,1273.54 -615.5,1210.5 -525,1120 -505,1120 -485,1100 R47.1@-485,1080.51
USART3_TXD_PB11: R46.1 U4.70 | length 404.8
  Top Layer w8: U4.70@-509.39,1309.88 -558.65,1309.88 -601,1267.53 -601,1216.51 -518.99,1134.5 -454.5,1134.5 -430,1110 R46.1@-430,1080.51
USIM_CLK: C7.2 R14.1 U1.41 | length 245.1
  Top Layer w8: U1.41@8.03,233.86 8.03,303.03 35,330 60,330 80,350 C7.2@80,379.49 ; C7.2@85,379.49 R14.1@140,379.49
USIM_GND: U1.42 U2.4 | length 3132.1
  Top Layer w15: U1.42@-35.28,233.86 -35.28,165.28 -10,140 265,140 300,175 300,290 319.5,309.5 820.5,309.5 965,165 U2.4@965,105 935,105 905,75 U2.4@905,-55 U2.4@905,-548.31 U2.4@1511.3,-548.31 U2.4@1511.3,-55
USIM_IO: R18.1 U1.40 | length 244.1
  Top Layer w8: U1.40@51.34,233.86 51.34,291.34 105,345 175,345 190,360 R18.1@190,379.49
USIM_RST: C6.2 R17.1 U1.39 | length 422.7
  Top Layer w8: U1.39@94.65,233.86 94.65,294.65 130,330 191.21,330 219.7,358.49 219.7,399.7 230,410 295,410 305,400 C6.2@305,379.49 R17.1@360,379.49
USIM_VDD: C5.2 R21.1 U1.38 U2.1 | length 1160.6
  Top Layer w8: C5.2@420,378.09 C5.2@420,379.49
  Top Layer w12: U1.38@137.95,233.86 137.95,282.95 165,310 205,310 225,330 250,330 ; R21.1@250,379.49 250,330 ; 420,330 C5.2@420,378.09 ; U2.1@1015,105 1015,143.99 828.99,330 250,330
VCC_5V: C33.1 C34.2 JP11.5 JP11.7 U5.16 U6.3 U7.4 USB1.1 | length 2226.9
  Top Layer w15: USB1.1@-735.83,776.18 -903.82,776.18 ccw(c-903.82,750) -930,750 -930,540 ccw(c-910,540) -910,520 -740,520 ccw(c-740,550) -710,550 cw(c-660,550) -660,600 -435,600 ccw(c-435,605) -430,605 ; U5.16@-140,681.65 -133.58,688.07 C33.1@-40,688.07
  Top Layer w40: U7.4@-800,439.17 -700.83,439.17 ccw(c-700.83,465) -675,465 -675,500 cw(c-645,500) -645,530 JP11.7@-565,530 JP11.5@-465,530 -465,570 -435,600 ; -430,605 -75,605 -40,640 C33.1@-40,688.07 -13.58,714.49 C34.2@40,714.49 80.04,674.45 U6.3@140.83,674.45
VCC_BLUE: C12.2 Q4.3 U3.12 | length 342.5
  Top Layer w20: Q4.3@505,1365 520,1365 ccw(c520,1375) 530,1375 530,1425 C12.2@530.51,1425 580,1425 cw(c580,1400) 605,1400 ccw(c620,1400) 620,1385 715,1385 ccw(c715,1400) 730,1400 730,1430 U3.12@730.39,1430
VCC_NB: C8.1 Q2.3 U1.45 U1.46 | length 963.6
  Top Layer w20: Q2.3@-315,270 -200,270 -170,300 -170,405 -160,415 C8.1@-129,415 ccw(c-129,414) -130,414 -130,250 cw(c-160,250) -160,220 -235,220 ccw(c-235,190) -265,190 -265,45 ; U1.46@-196.69,1.57 cw(c-198.27,1.57) -198.27,0 -250,0 cw(c-250,15) -265,15 -265,45 ; U1.45@-196.69,44.88 -196.69,45 -265,45
WakeUp_KEY1_PA0: C3.1 R2.1 S1.1 U4.34 | length 5127.3
  Top Layer w8: v2(-480,2000) -490,1990 -515,1990 -532.81,2007.81 -532.81,2073.4 -496.21,2110 -425,2110 -400.12,2085.12 U4.34@-400.12,2029.39 ; R2.1@1605.51,470 C3.1@1605.51,415 1605.51,340 ; S1.1@1676,-83.23 1628.23,-83.23 1605.51,-60.51 1605.51,340 ; v2(1785,640) 1785,360 1765,340 1605.51,340
  Bottom Layer w8: v2(-480,2000) -480,1902.57 -395,1817.57 -395,1083.79 -261.21,950 17.87,950 220,747.87 220,602.26 217.19,599.45 217.19,542.81 235,525 290,525 325,560 325,710 355,740 1588.79,740 1688.79,640 v2(1785,640)
pads on no net: S1.3 S1.4 S2.3 S2.4 U1.1 U1.3 U1.4 U1.5 U1.6 U1.7 U1.8 U1.9 U1.10 U1.11 U1.12 U1.13 U1.14 U1.16 U1.17 U1.18 U1.19 U1.20 U1.21 U1.22 U1.23 U1.24 U1.25 U1.26 U1.27 U1.28 U1.31 U1.32 U1.33 U1.34 U1.35 U1.36 U1.37 U1.44 U1.49 U1.50 U1.55 U1.56 U1.57 U1.58 U1.59 U1.60 U1.61 U1.62 U1.63 U1.64 U1.65 U1.66 U1.67 U1.68 U1.69 U1.70 U1.71 U1.72 U1.73 U1.74 U1.75 U1.76 U1.77 U1.78 U1.79 U1.80 U1.81 U1.82 U1.83 U1.84 U1.85 U1.86 U1.87 U1.88 U1.89 U1.90 U1.91 U1.92 U1.93 U1.94 U2.5 U3.3 U3.4 U3.5 U3.6 U3.7 U3.8 U3.9 U3.10 U3.15 U3.19 U3.20 U3.21 U3.22 U3.23 U3.24 U3.25 U3.26 U3.27 U3.28 U3.29 U3.30 U4.16 U4.17 U4.46 U4.47 U4.51 U4.52 U4.61 U4.62 U4.83 U4.84 U4.94 U4.95 U4.103 U4.104 U4.106 U4.120 U4.121 U4.130 U4.131 U5.7 U5.8 U5.9 U5.10 U5.11 U5.12 U5.13 U5.14 U5.15 U7.2 X2.2 X2.4

## Polygon pours and split planes (outlines as drawn)
GND on POWER_GND "GND_L03_P002" (solid, remove dead copper, pour order 2): -1026.85,2826.46 2024.33,2826.46 2024.33,-716.85 -1026.85,-716.85
GND on Top Layer "GND_L01_P008" (solid, remove dead copper, pour order 8): -1026.85,2826.46 1925.91,2826.46 1925.91,-716.85 -1026.85,-716.85
MCU_3.3V on POWER_VCC "MCU_3.3V_L02_P000" (solid, remove dead copper, pour order 0): -1125.28,2924.88 2122.76,2924.88 2122.76,-815.28 -1125.28,-815.28
GND on Bottom Layer "GND_L04_P004" (solid, remove dead copper, pour order 4): -1125.28,2924.88 2024.33,2924.88 2024.33,-716.85 -1125.28,-716.85

## Keep-outs
Keep-Out Layer:
  lines w10: -965,-501.89 ccw(c-846.89,-501.89) -846.89,-620 1776.89,-620 ccw(c1776.89,-501.89) 1895,-501.89 1895,-281.89 1895,2556.89 1895,2685 ccw(c1781.89,2680) 1776.89,2793.11 -665,2793.11 -846.89,2793.11 ccw(c-846.89,2675) -965,2675 -965,-281.89 -965,-501.89

## Other copper
Top Layer:
  pour cut-out: -950,2570 -690,2570 -690,2800 -700,2810 -950,2810
  pour cut-out: -950,-380 -700,-380 -700,-650 -950,-650
  pour cut-out: 1630,-650 1630,-350 1940,-350 1940,-650
POWER_VCC:
  pour cut-out: 1430,1430 1430,920 1660,920 1660,1430
POWER_GND:
  pour cut-out: 1430,1430 1660,1430 1660,920 1430,920

## Silkscreen, mask and mechanical layers (free items; w line width, h text height)
Top Overlay:
  circle w10: c1790,-520 r110.24
  circle w10: c-830,-520 r110.24
  circle w10: c1790,2700 r110.24
  circle w10: c-830,2700 r110.24
  text "IN_COM+" at 1440,2260 h59.06 r270
  text "1N4" at 1020,2240 h47.24
  text "1N3" at 1120,2240 h47.24
  text "1N2" at 1220,2240 h47.24
  text "1N1" at 1330,2240 h47.24
  text "USART2_TXD" at 1450,1930 h47.24 r270
  text "USART2_RXD" at 1560,1930 h47.24 r270
  text "BLUE_T" at 1670,1450 h47.24 r90
  text "BLUE_R" at 1400,1440 h47.24
  text "USART1_RX" at 750,890 h47.24 r270
  text "USART1_TX" at 850,890 h47.24 r270
  text "V" at 960,760 h78.74
  text "C" at 1070,760 h78.74
  text "G" at 1170,760 h78.74
  text "D" at 1280,760 h78.74
  text "R" at 1380,760 h78.74
  text "USART3" at -610,610 h59.06 r90
  text "5V" at -590,590 h59.06
  text "5V" at -490,590 h59.06
  text "3V3" at -400,590 h59.06
  text "3V3" at -290,590 h59.06
  text "GND" at -710,410 h59.06
  text "2020.02.02" at 1040,270 h78.74
  text "V3.0" at 1040,200 h78.74
  text "GND" at -880,-400 h78.74
Bottom Overlay:
  circle w10: c254,-100 r22.02
  region: 436,-126 463,-126 503,-102 463,-76 436,-76 476,-102
  region: 369,-125 396,-125 436,-101 396,-75 369,-75 409,-101
  region: 298,-126 325,-126 365,-102 325,-76 298,-76 338,-102
  region: 276.02,-100 ccw(c254,-100) 254,-77.98 ccw(c254,-100) 231.98,-100 ccw(c254,-100) 254,-122.02 ccw(c254,-100)
  region: 109.55,-390.22 ccw(c380,-260) 120.72,-108.75 153.59,-130.62 cw(c380,-260) 144.75,-372.51 144.8,-372.6
  lines w10: 144.75,-372.51 ccw(c380,-260) 153.59,-130.62 120.72,-108.75 cw(c380,-260) 109.55,-390.22 144.8,-372.6 ; 1450,2630 1450,2700 ; 1540,2630 1540,2700 ; 1450,2700 1480,2700 1480,2770 1310,2770 1270,2770 1270,2700 1450,2700 ; 1540,2700 1710,2700 1710,2770 1500,2770 1500,2700 1540,2700 ; 298,-126 338,-102 298,-76 325,-76 365,-102 325,-126 298,-126 ; 369,-125 409,-101 369,-75 396,-75 436,-101 396,-125 369,-125 ; 436,-126 463,-126 503,-102 463,-76 436,-76 476,-102 436,-126
  text "OUT_COM-" at 1470,2720 h47.24
  text "OUT_COM+" at 1700,2720 h47.24
  text "OUT_4" at 1060,2570 h47.24 r90
  text "OUT_3" at 1160,2570 h47.24 r90
  text "OUT_2" at 1260,2570 h47.24 r90
  text "OUT_1" at 1360,2570 h47.24 r90
  text "PE0" at -670,2500 h59.06
  text "PE1" at -560,2500 h59.06
  text "PG15" at 1560,2500 h59.06
  text "PG14" at 1690,2500 h59.06
  text "PG13" at 1560,2430 h59.06
  text "PG12" at 1690,2420 h59.06
  text "PE2" at -670,2400 h59.06
  text "PE3" at -560,2400 h59.06
  text "PE4" at -670,2310 h59.06
  text "PE5" at -560,2310 h59.06
  text "PG11" at 1560,2300 h59.06
  text "PG10" at 1690,2300 h59.06
  text "PG9" at 1570,2210 h59.06
  text "PG8" at 1690,2210 h59.06
  text "PE6" at -670,2200 h59.06
  text "PF0" at -560,2200 h59.06
  text "PF1" at -670,2110 h59.06
  text "PF2" at -560,2110 h59.06
  text "PG7" at 1570,2110 h59.06
  text "PG6" at 1690,2110 h59.06
  text "PG5" at 1570,2010 h59.06
  text "PG4" at 1690,2010 h59.06
  text "PF4" at -670,2000 h59.06
  text "PF3" at -560,2000 h59.06
  text "PG3" at 1570,1910 h59.06
  text "PG2" at 1690,1910 h59.06
  text "PF6" at -670,1900 h59.06
  text "PF5" at -560,1900 h59.06
  text "PF8" at -670,1810 h59.06
  text "PF7" at -560,1810 h59.06
  text "PG1" at 1570,1810 h59.06
  text "PG0" at 1690,1810 h59.06
  text "PC13" at 1570,1710 h59.06
  text "PC12" at 1690,1710 h59.06
  text "PF10" at -650,1700 h59.06
  text "PF9" at -510,1700 h59.06
  text "PC11" at 1250,1620 h59.06
  text "PC10" at 1390,1620 h59.06
  text "PF12" at -650,1600 h59.06
  text "PF11" at -510,1600 h59.06
  text "PC9" at 1250,1520 h59.06
  text "PC8" at 1390,1520 h59.06
  text "PF14" at -650,1500 h59.06
  text "PF13" at -510,1500 h59.06
  text "PD0" at 1550,1410 h59.06
  text "PD1" at 1690,1410 h59.06
  text "PE7" at -650,1400 h59.06
  text "PF15" at -510,1400 h59.06
  text "PE9" at -650,1310 h59.06
  text "PE8" at -510,1310 h59.06
  text "PD2" at 1550,1300 h59.06
  text "PD3" at 1690,1300 h59.06
  text "PE10" at -510,1210 h59.06
  text "PE11" at -650,1200 h59.06
  text "PD4" at 1550,1200 h59.06
  text "PD5" at 1690,1200 h59.06
  text "PE13" at -650,1100 h59.06
  text "PE12" at -510,1100 h59.06
  text "PD6" at 1550,1100 h59.06
  text "PD7" at 1690,1100 h59.06
  text "PD8" at 1550,1010 h59.06
  text "PD9" at 1690,1010 h59.06
  text "PE15" at -650,1000 h59.06
  text "PE14" at -510,1000 h59.06
  text "PD10" at 1550,910 h59.06
  text "PD11" at 1690,910 h59.06
  text "PD12" at 1550,810 h59.06
  text "PD13" at 1690,810 h59.06
  text "PD14" at 1560,710 h59.06
  text "PD15" at 1690,710 h59.06
  text "L" at 340,-370 h314.96
  text "F" at 470,-370 h314.96
  text "Z" at 600,-370 h314.96
  text "Designer" at 530,-450 h78.74

## Text inside footprints (layer, text, board x,y; h text height)
JP5: Top Overlay "3" at 1415,1655 h10 r180; Top Overlay "4" at 1415,1555 h10 r180; Top Overlay "2" at 1675,1555 h10 r180; Top Overlay "1" at 1665,1655 h10 r180
JP8: Top Overlay "1" at 1855,1435 h10 r90; Top Overlay "2" at 1755,1425 h10 r90; Top Overlay "5" at 1855,1785 h10 r90; Top Overlay "6" at 1755,1785 h10 r90
JP9: Top Overlay "2" at 1815,1525 h10 r270; Top Overlay "1" at 1715,1515 h10 r270; Top Overlay "16" at 1825,645 h10 r270; Top Overlay "15" at 1705,645 h10 r270
JP10: Top Overlay "16" at -815,1740 h10 r270; Top Overlay "15" at -935,1740 h10 r270
JP11: Top Overlay "7" at -625,550 h10 r180; Top Overlay "2" at -165,450 h10 r180; Top Overlay "1" at -175,550 h10 r180; Top Overlay "8" at -625,450 h10 r180
JP12: Top Overlay "2" at -825,1820 h10 r270; Top Overlay "1" at -925,1810 h10 r270
JP13: Top Overlay "2" at 1755,1725 h10 r90; Top Overlay "1" at 1855,1735 h10 r90; Top Overlay "16" at 1745,2605 h10 r90; Top Overlay "15" at 1865,2605 h10 r90
U2: Top Overlay "SIM" at 1015,-235 h236.22
U3: Top Overlay "HC-O8" at 1180,1180 h78.74 r180
USB1: Top Overlay "USB" at -865.83,785 h10 r270